# Altium PCB PCB.PcbDoc (part 2 of 2)
Units mm, origin at the board's own origin, x right, y up, seen from the top; angles counter-clockwise.
Board outline 126.4 x 80.11 mm, 6 copper layers (Top Layer, GND-1, Signal-1, Power Plane, GND-2, Bottom Layer), stack 1.38 mm thick; 110 components, 85 nets, 374 pads, 490 vias.
Unrouted connection lines stored in the file: 21.
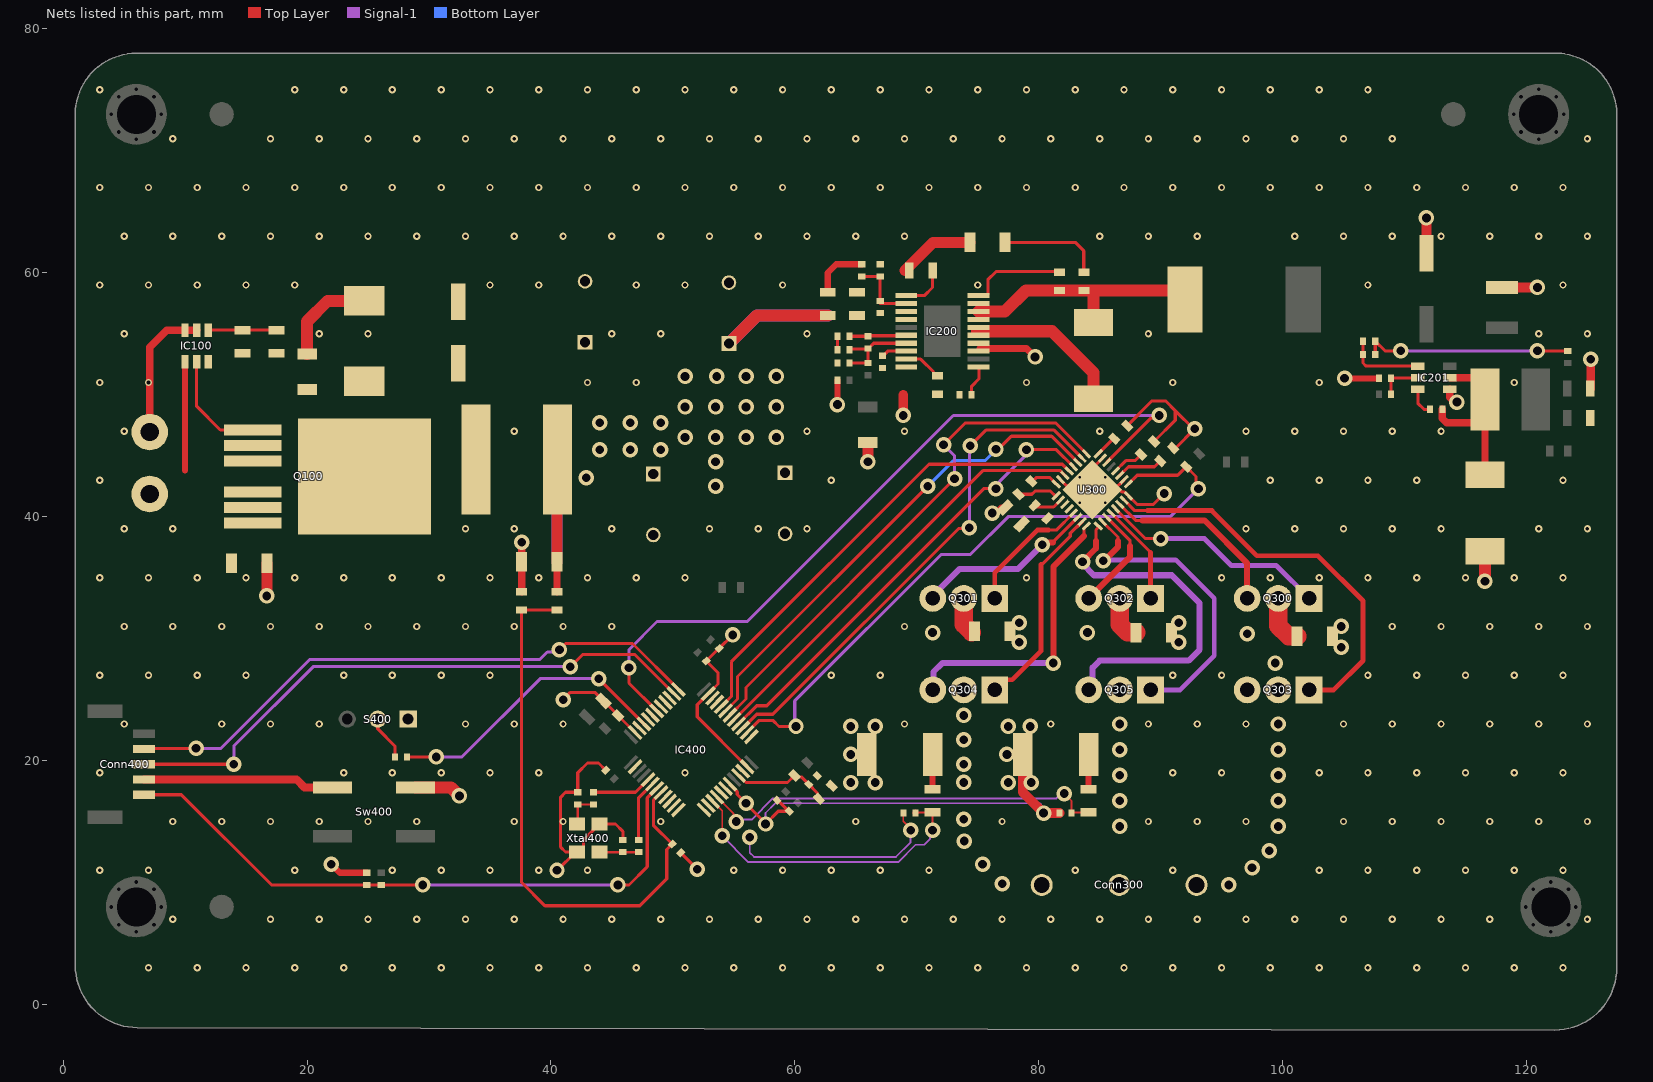
[diagram p6: the nets of this part, all layers, seen from the top]

## Via types
v1: diameter 0.6, hole 0.3, Top Layer to Bottom Layer, 337 vias
v2: diameter 1.27, hole 0.711, Top Layer to Bottom Layer, 113 vias
v3: diameter 0.6, hole 0.3, Top Layer to Bottom Layer, tented top, 21 vias
v4: diameter 1.27, hole 0.711, Top Layer to Bottom Layer, tented top, 19 vias

## Nets (pads, with @x,y where several pads share a name; then routed paths per layer and width w, separated by ;. In a path a pad name is that pad's centre, name@x,y a point inside that pad or via, vN(x,y) a via of type N, cw(c..) or ccw(c..) an arc to the next point about the centre after c; other vN are vias at no path point) (continued)
+28V_FILT: C104.1 C106.P C201.1 C202.1 C300.1 C301.1 C302.1 C303.P C304.P C306.1 C307.1 IC200.3-VIN IC200.4-VIN L100.1 Q300.D Q301.D Q302.D R200.1 R207.2 U300.3 U300.4 | length 48.5
  Top Layer w0.25: C306.1@80.624,39.764 C306.1@80.73,39.87
  Top Layer w0.5: L100.1@40.5,44.675 L100.1@40.525,44.7
  Top Layer w0.6: R207.2@40.5,33.85 C104.1@40.5,36.3
  Top Layer w0.9: C104.1@40.5,36.3 L100.1@40.5,44.675
  Top Layer w1: C106.P@54.6,54.2 56.9,56.5 C201.1@62.7,56.5
  Top Layer w1.5: Q301.D@73.86,33.3 73.86,31.16 C300.1@74.52,30.5 ; Q302.D@86.64,33.3 86.64,31.16 87.3,30.5 C302.1@88,30.5 ; Q300.D@99.64,33.3 99.64,31.06 100.5,30.2 C301.1@101.2,30.2
  Bottom Layer w0.9: 40.5,36.3 40.5,44.675
  Bottom Layer w1: C106.P@54.6,54.2 56.9,56.5 62.7,56.5
  other v2: 53.5,42.5 42.9,43.2 53.5,44.5 44,45.5 46.5,45.5 49,45.5 51,46.5 53.5,46.5 56,46.5 58.5,46.5 44,47.7 46.5,47.7 49,47.7 51,49 53.5,49 56,49 58.5,49 51,51.5 53.6,51.5 56,51.5 58.5,51.5
BOOT0: IC400.45 R401.2 | length 23.6
  Top Layer w0.254: R401.2@28.2,20.3 v2(30.6,20.3) ; v2(43.916,26.716) IC400.45@47.619,23.013
  Signal-1 w0.254: v2(30.6,20.3) 32.7,20.3 39.116,26.716 v2(43.916,26.716)
CurrentA: Q304.S R303.2 R304.1 U300.8 | length 26.8
  Top Layer w0.25: 83.702,38.402 83.702,39.009 83.696,39.014 83.696,39.022 U300.8@83.916,39.241
  Top Layer w0.5: R303.2@71.3,17.65 R304.1@71.3,20.5 ; v2(81.2,28) 81.2,35.9 83.702,38.402
  Signal-1 w0.5: Q304.S@71.366,25.846 71.366,27.266 72.1,28 v2(81.2,28)
CurrentB: Q305.S R305.2 R306.1 U300.9 | length 32.6
  Top Layer w0.25: 84.7,38 84.7,38.918 84.95,39.168 84.95,39.175 U300.9@84.884,39.241
  Top Layer w0.5: v4(83.6,36.3) 84.7,37.4 84.7,38 ; R305.2@84.1,17.65 R306.1@84.1,20.5
  Signal-1 w0.5: v4(83.6,36.3) 83.6,36.127 84.528,35.199 90.912,35.199 93.2,32.91 93.2,29.1 92.3,28.2 85,28.2 84.425,27.625 84.425,26.125 Q305.S@84.1,25.8
Driver_Enable: IC400.42 U300.22 | length 63.3
  Top Layer w0.254: v2(46.4,27.6) 46.4,26.354 IC400.42@48.68,24.073 ; U300.22@85.591,44.452 89.245,48.106 89.706,48.106 v2(89.9,48.3)
  Signal-1 w0.254: v2(46.4,27.6) 46.4,29.1 48.7,31.4 56.1,31.4 73,48.3 v2(89.9,48.3)
Driver_Fault: IC400.26 R302.1 U300.17 | length 54.6
  Top Layer w0.254: IC400.26@56.088,22.306 57.082,23.3 58.204,23.3 58.704,22.8 v2(60.1,22.8) ; U300.17@87.359,42.684 88.075,43.4 91.4,43.4 R302.1@92.1,44.1 92.906,43.294 92.906,42.494 v2(93.1,42.3)
  Signal-1 w0.254: v2(60.1,22.8) 60,22.9 60,24.9 72,36.9 74.4,36.9 77.5,40 90.8,40 v2(93.1,42.3)
GHA: Q301.G U300.5 | length 10.7
  Top Layer w0.25: 80.654,38.9 81.454,38.9 U300.5@82.855,40.301
  Top Layer w0.4: Q301.G@76.4,33.3 76.4,35.4 79.9,38.9 80.8,38.9
GHB: Q302.G U300.12 | length 8.3
  Top Layer w0.25: U300.12@85.945,40.301 89.18,37.066
  Top Layer w0.4: Q302.G@89.18,33.3 89.18,37.066
GHC: Q300.G U300.13 | length 18.9
  Top Layer w0.25: U300.13@86.299,40.655 88.754,38.2 v2(90,38.2)
  Signal-1 w0.4: v2(90,38.2) 93.6,38.2 95.8,36 99.48,36 Q300.G@102.18,33.3
GLA: Q304.G U300.7 | length 17.1
  Top Layer w0.3: 80.3,36.1 80.5,36.3 82.6,38.4 82.6,38.632 U300.7@83.562,39.594
  Top Layer w0.4: Q304.G@76.4,25.8 77.224,26.624 77.824,26.624 80.2,29 80.2,36.1
GLB: Q305.G U300.10 | length 25.8
  Top Layer w0.25: U300.10@85.238,39.594 86.5,38.332 86.5,38
  Top Layer w0.5: v2(85.3,36.4) 85.388,36.4 86.5,37.512 86.5,38
  Signal-1 w0.4: v2(85.3,36.4) 85.363,36.463 91.237,36.463 94.4,33.3 94.4,28.6 91.6,25.8 Q305.G@89.18,25.8
GLC: Q303.G U300.15 | length 33.3
  Top Layer w0.25: U300.15@87.006,41.362 87.868,40.5 88.9,40.5
  Top Layer w0.4: 88.9,40.5 94.2,40.5 97.9,36.8 102.9,36.8 106.6,33.1 106.6,28.2 104.2,25.8 Q303.G@102.18,25.8
GND: C100.2 C101.1 C102.2 C103.2 C104.2 C105.N C106.N C201.2 C202.2 C203.2 C205.2 C206.2 C207.2 C208.2 C210.2 C212.2 C214.2 C215.2 C216.2 C217.2 C300.2 C301.2 C302.2 C303.N C304.N C305.1 C307.2 C309.1 C310.2 C400.1 C401.2 C402.2 C403.2 C404.2 C405.2 C406.2 C407.2 C408.2 C409.2 C410.2 C411.2 Conn100.2 Conn400.4 D201.A IC100.2 IC100.3 IC200.10-AGND IC200.13-PGND IC200.14-PGND IC201.1 IC400.19 IC400.23 IC400.35 IC400.47 Q303.S R201.1 R202.2 R203.2 R206.1 R208.2 R212.2 R300.1 R301.1 R304.2 R306.2 S400.1 Sw400.A TVS100.A U300.16 U300.18 U300.23 U300.31 U300.33 U300.34 U300.35 U300.36 U300.37 U300.38 Xtal400.GND1 Xtal400.GND2 | length 212.3
  Top Layer w0.15: C309.1@68.9,15.7 68.9,15.019 v2@69.56,14.36
  Top Layer w0.254: v2(40.5,11) 40.525,11 Xtal400.GND1@42.025,12.5 ; v2(41,25) 41.6,25.6 43.6,25.6 C404.2@44.3,24.9 44.309,24.9 46.903,22.306 IC400.47@46.912,22.306 ; Xtal400.GND1@42.15,12.5 Xtal400.GND1@42.025,12.5 ; Xtal400.GND1@42.275,12.5 42.673,12.898 42.673,13.473 43.477,14.277 43.477,14.402 43.875,14.8 Xtal400.GND2@44,14.8 45.3,14.8 45.9,14.2 C406.2@45.9,13.5 ; C402.2@44.493,19.207 43.9,19.8 43,19.8 42.2,19 C405.2@42.2,17.4 41.2,17.4 40.8,17 40.8,12.9 41.2,12.5 Xtal400.GND1@42.025,12.5 ; C212.2@50.654,12.446 v2(52,11.1) ; IC400.19@54.673,18.08 54.673,18.048 55.282,17.439 55.282,17.218 v2(56,16.5) 56,16.45 57.6,14.85 v2(57.6,14.8) 58.646,15.846 59.302,15.846 59.337,15.882 C411.2@59.461,15.882 ; v4(54.9,30.3) C403.2@53.8,29.2 53.786,29.2 52.75,28.164 C401.2@52.736,28.164 53.7,27.2 53.7,26.282 IC400.35@52.906,25.488 52,24.582 52,23.582 IC400.23@56.088,19.494 ; C410.2@58.546,16.746 58.596,16.746 C411.2@59.461,15.882 ; U300.31@81.794,43.038 82.632,42.2 U300.33@84.4,42.2 84.4,43.968 U300.23@85.238,44.806 ; U300.18@87.006,43.038 86.168,42.2 86.66,42.2 86.762,42.098 ccw(c86.941,42.278) 86.942,42.024 cw(c86.942,41.77) 87.121,41.95 87.136,41.935 U300.16@87.359,41.716 88.075,41 89.4,41 v2(90.3,41.9) ; C305.1@87.261,47.461 89.3,49.5 90.4,49.5 91.2,48.7 ; R301.1@89.461,46.161 91.2,47.9 91.2,48.7 ; R300.1@91.03,45.63 91.23,45.63 v2(92.8,47.2) ; v2@92.75,47.15 91.2,48.7 ; C216.2@125.25,50.5 C216.2@125.258,50.508 ; v2@125.258,52.903 v2(125.267,52.912) ; C411.2@59.461,15.882 59.511,15.882 C411.2@59.546,15.846 59.496,15.846 C411.2@59.461,15.882
  Top Layer w0.5: v4(22,11.5) 22.7,10.8 C400.1@24.9,10.8 ; C201.2@62.7,58.4 62.7,60.001 63.399,60.7 C203.2@65.5,60.7 ; v2(63.5,49.2) C215.2@63.5,51.2 ; v2(76.2,40.3) 76.394,40.494 76.692,40.494 76.941,40.744 C307.2@77.256,40.744 ; v2@105.086,51.346 R212.2@107.896,51.346
  Top Layer w0.6: Conn100.2@7.1,46.94 7.1,53.9 8.5,55.3 IC100.3@10,55.3 IC100.2@10.95,55.3 ; R208.2@37.6,33.85 C104.2@37.6,36.3 v4(37.6,37.9) ; 75.219,53.8 79,53.8 v2(79.7,53.1) ; IC201.1@113.7,50.45 113.7,49.8 114.1,49.4 v2(114.3,49.4)
  Top Layer w0.65: Conn400.4@6.645,18.45 19.15,18.45 19.8,17.8 Sw400.A@22.1,17.8
  Top Layer w0.7: C216.2@125.258,50.508 v2@125.258,52.903
  Top Layer w0.8: v2(68.9,48.3) 68.9,50 ; R306.2@78.7,20.5 78.7,17.4 v4(80.4,15.7) C310.2@81.7,15.7 ; C206.2@111.8,61.608 v2(111.8,64.5) ; C205.2@118,58.8 v2(120.9,58.8)
  Top Layer w0.9: v2(16.7,33.5) C100.2@16.7,36.2 ; v2(66,44.5) C214.2@66,46.1 ; 69.05,60.2 71.35,62.5 R202.2@74.35,62.5
  Top Layer w1: C103.2@20,53.35 20,56 21.7,57.7 TVS100.A@24.7,57.7 ; Sw400.A@28.9,17.8 31.8,17.8 v2(32.5,17.1) ; v2(116.6,34.7) D201.A@116.6,37.173
  Signal-1 w0.15: v2(56.3,13.7) 56.3,12.456 56.656,12.1 68.3,12.1 69.5,13.3 v2(69.5,14.3) ; v2(57.6,14.8) 57.6,15.7 58.4,16.5 74.6,16.5 80.108,16.5 80.196,16.412 80.196,15.904 v4(80.4,15.7)
  other v1: 7,3 11,3 15,3 19,3 23,3 27,3 31,3 35,3 39,3 43,3 47,3 51,3 55,3 59,3 63,3 67,3 71,3 75,3 79,3 83,3 87,3 91,3 95,3 99,3 103,3 107,3 111,3 115,3 119,3 123,3 9,7 17,7 21,7 25,7 29,7 33,7 37,7 41,7 45,7 49,7 53,7 57,7 61,7 65,7 69,7 73,7 77,7 81,7 85,7 89,7 93,7 97,7 101,7 105,7 109,7 113,7 117,7 125,7 3,11 7,11 19,11 27,11 35,11 39,11 43,11 55,11 59,11 63,11 67,11 71,11 83,11 91,11 103,11 107,11 111,11 115,11 119,11 123,11 9,15 13,15 17,15 21,15 25,15 29,15 37,15 41,15 49,15 89,15 93,15 97,15 105,15 109,15 113,15 117,15 121,15 125,15 3,19 23,19 27,19 31,19 35,19 39,19 51,19 91,19 95,19 103,19 107,19 111,19 115,19 119,19 123,19 5,23 13,23 17,23 21,23 33,23 37,23 41,23 69,23 81,23 89,23 93,23 97,23 105,23 109,23 113,23 117,23 121,23 125,23 3,27 7,27 11,27 15,27 23,27 27,27 31,27 35,27 63,27 67,27 91,27 95,27 107,27 111,27 115,27 119,27 123,27 13,31 17,31 21,31 25,31 29,31 33,31 45,31 69,31 109,31 113,31 117,31 121,31 125,31 3,35 11,35 15,35 19,35 23,35 27,35 31,35 39,35 79,35 95,35 99,35 103,35 107,35 111,35 115,35 119,35 123,35 5,39 9,39 33,39 45,39 53,39 57,39 61,39 97,39 101,39 105,39 109,39 113,39 121,39 125,39 3,43 63,43 99,43 103,43 107,43 111,43 5,47 37,47 61,47 69,47 85,47 97,47 101,47 105,47 109,47 113,47 43,51 47,51 79,51 91,51 103,51 119,51 5,55 21,55 25,55 45,55 49,55 121,55 125,55 3,59 7,59 11,59 15,59 19,59 35,59 39,59 47,59 51,59 59,59 75,59 107,59 123,59 5,63 9,63 13,63 17,63 21,63 25,63 41,63 45,63 49,63 53,63 57,63 61,63 65,63 69,63 85,63 89,63 93,63 101,63 105,63 109,63 113,63 117,63 121,63 125,63 3,67 7,67 11,67 15,67 19,67 23,67 27,67 31,67 35,67 39,67 43,67 47,67 51,67 55,67 59,67 63,67 67,67 71,67 75,67 79,67 83,67 87,67 91,67 95,67 99,67 103,67 107,67 111,67 115,67 119,67 123,67 9,71 17,71 21,71 25,71 29,71 33,71 37,71 41,71 45,71 49,71 53,71 57,71 61,71 65,71 69,71 73,71 77,71 81,71 85,71 89,71 93,71 97,71 101,71 105,71 109,71 125,71 3,75 19,75 23,75 27,75 31,75 35,75 39,75 43,75 47,75 51,75 55,75 59,75 63,75 67,75 71,75 75,75 79,75 83,75 87,75 91,75 95,75 99,75 103,75 107,75
  other v2: 66.6,18.2 64.6,20.5 77.4,20.5 64.6,22.8 66.6,22.8 77.5,22.8 79.3,22.8 104.8,29.3 104.8,31 105.081,51.342
  other v3: 31,11 65,15 77,15 5,31 9,31 37,31 41,31 7,35 35,35 43,35 47,35 51,35 37,39 123,43 3,51 7,51 61,55 89,55 29,63 33,63 37,63
  other v4: 64.6,18.2 77.5,18.2 79.4,18.2 78.4,29.7 91.5,29.7 78.4,31.3 91.5,31.3
NetC102_1: C102.1 IC100.1 R100.2 | length 5.6
  Top Layer w0.254: IC100.1@11.9,55.3 C102.1@17.5,55.3
NetC200_1: C200.1 IC200.20-BST | length 8.2
  Top Layer w0.254: IC200.20-BST@75.07,58.125 75.75,58.125 75.833,58.208 75.833,59.433 76.5,60.1 C200.1@81.7,60.1
NetC200_2: C200.2 C204.1 D200.K IC200.17-SW IC200.18-SW IC200.19-PRE L200.1 | length 20.3
  Top Layer w1: IC200.18-SW@75.07,56.825 77.225,56.825 78.95,58.55 C200.2@81.7,58.55 C204.1@83.7,58.55 84.5,58.55 ; D200.K@84.5,55.927 84.5,58.55 ; L200.1@92,58.55 84.5,58.55
NetC203_1: C203.1 IC200.2-SD R200.2 R201.2 | length 5.6
  Top Layer w0.254: C203.1@65.5,59.7 R201.2@67,59.7 R200.2@67,57.7 ; R200.2@67,57.5 67.012,57.487 69.117,57.487 IC200.2-SD@69.13,57.475
NetC204_2: C204.2 R202.1 | length 8.5
  Top Layer w0.254: R202.1@77.25,62.5 83,62.5 83.7,61.8 C204.2@83.7,60.05
NetC207_1: C207.1 IC200.1-VCC | length 3.8
  Top Layer w0.254: IC200.1-VCC@69.13,58.125 70.625,58.125 71.3,58.8 C207.1@71.3,60.2
NetC208_1: C208.1 IC200.9-RAMP | length 3.2
  Top Layer w0.254: IC200.9-RAMP@69.13,52.925 70.325,52.925 71.377,51.873 71.377,51.723 71.55,51.55 C208.1@71.7,51.55
NetC209_1: C209.1 C211.2 IC200.6-COMP | length 4.7
  Top Layer w0.254: C209.1@64.5,54.8 C211.2@66,54.8 66.038,54.837 69.092,54.837 IC200.6-COMP@69.13,54.875
NetC209_2: C209.2 R205.2 | length 1.1
  Top Layer w0.254: R205.2@63.5,53.7 C209.2@63.5,54.8
NetC210_1: C210.1 IC200.11-SS | length 2.5
  Top Layer w0.254: C210.1@74.5,50 74.5,50.7 75.1,51.3 75.1,52.245 IC200.11-SS@75.07,52.275
NetC211_1: C211.1 IC200.7-FB R204.1 R205.1 R206.2 | length 7.5
  Top Layer w0.254: R206.2@64.5,52.6 R204.1@66,52.6 C211.1@66,53.8 65.95,53.75 64.55,53.75 R205.1@64.5,53.7 ; C211.1@66.05,53.8 66.475,54.225 IC200.7-FB@69.13,54.225
NetC213_1: C213.1 IC201.6 | length 2.4
  Top Layer w0.254: IC201.6@111.1,50.45 111.1,49.3 111.6,48.8 C213.1@112.1,48.8
NetC213_2: C213.2 D201.K IC201.2 L202.1 | length 15
  Top Layer w0.6: C213.2@113.1,48.8 113.1,48.051 113.451,47.7 115.725,47.7 L202.1@116.6,48.575 ; IC201.2@113.7,51.4 115.552,51.4 116.6,50.352 L202.1@116.6,48.575 ; D201.K@116.6,43.427 L202.1@116.6,48.575
NetC218_1: C218.1 R210.2 R211.1 | length 17.2
  Top Layer w0.254: R211.1@107.6,53.3 C218.1@107.6,54.4 108.4,53.6 v2(109.7,53.6) ; v2(120.9,53.6) R210.2@123.4,53.6
  Signal-1 w0.254: v2(109.7,53.6) v2(120.9,53.6)
NetC218_2: C218.2 IC201.4 R211.2 | length 6.4
  Top Layer w0.254: C218.2@106.6,54.4 R211.2@106.6,53.3 106.6,52.6 106.85,52.35 IC201.4@111.1,52.35
NetC305_2: C305.2 U300.24 | length 1.8
  Top Layer w0.254: U300.24@84.884,45.159 86.125,46.4 C305.2@86.2,46.4
NetC306_2: C306.2 U300.2 | length 2.4
  Top Layer w0.254: C306.2@79.67,40.8 81.232,40.8 U300.2@81.794,41.362
NetC308_1: C308.1 U300.1 | length 3.4
  Top Layer w0.254: C308.1@78.339,41.839 79.439,41.839 79.694,42.094 80.971,42.094 81.393,41.672 81.397,41.672 U300.1@81.441,41.716
NetC308_2: C308.2 U300.32 | length 2.4
  Top Layer w0.254: C308.2@79.4,42.9 79.5,42.9 79.8,43.2 80.925,43.2 U300.32@81.441,42.684
NetC405_1: C405.1 R402.2 Xtal400.2 | length 2.9
  Top Layer w0.2: Xtal400.2@42.15,14.8 42.2,14.85 C405.1@42.2,16.4 R402.2@43.5,16.4
NetC406_1: C406.1 R403.2 Xtal400.1 | length 3.2
  Top Layer w0.2: Xtal400.1@44,12.5 R403.2@47.2,12.5
NetC407_1: C407.1 C409.1 IC400.21 L400.2 | length 8.1
  Top Layer w0.254: IC400.21@55.381,18.787 55.413,18.787 56,18.2 59.4,18.2 L400.2@59.97,18.77 60.076,18.664 60.529,18.664 C409.1@61.146,18.046 61.864,17.329 61.864,16.976 C407.1@61.97,16.87
NetD200_A: D200.A IC200.15-IS IC200.16-IS | length 13.1
  Top Layer w1: 74.939,55.2 81.1,55.2 84.5,51.8 D200.A@84.5,49.673
NetQ100_G: IC100.5 Q100.G | length 9.1
  Top Layer w0.254: IC100.5@10.95,52.7 10.95,49.05 12.89,47.11 Q100.G@15.55,47.11
NetR203_1: IC200.8-RT R203.1 | length 2.1
  Top Layer w0.254: R203.1@67.2,53.2 67.25,53.2 67.625,53.575 IC200.8-RT@69.13,53.575
NetR209_2: IC201.5 R209.2 R212.1 | length 3.5
  Top Layer w0.254: R209.2@108.9,50.05 R212.1@108.9,51.35 108.925,51.375 111.075,51.375 IC201.5@111.1,51.4
NetR300_2: R300.2 U300.19 | length 3.7
  Top Layer w0.254: U300.19@86.652,43.391 87.361,44.1 89.5,44.1 R300.2@89.92,44.52
NetR301_2: R301.2 U300.20 | length 2.7
  Top Layer w0.254: U300.20@86.299,43.745 87.154,44.6 87.9,44.6 R301.2@88.4,45.1
NetR401_1: R401.1 S400.2 | length 3.7
  Top Layer w0.254: S400.2@25.8,23.4 25.8,22.6 27.2,21.2 R401.1@27.2,20.3
NetR402_1: IC400.5 R402.1 | length 4.9
  Top Layer w0.254: R402.1@43.5,17.4 46.939,17.4 IC400.5@47.973,18.434
NetR403_1: IC400.6 R403.1 | length 5
  Top Layer w0.254: R403.1@47.2,13.5 47.2,16.954 IC400.6@48.327,18.08
NRST: C400.2 Conn400.5 IC400.7 R400.2 | length 51.7
  Top Layer w0.254: Conn400.5@6.645,17.2 9.7,17.2 17.1,9.8 C400.2@24.9,9.8 R400.2@26.1,9.8 v4(29.5,9.8) ; v2(45.5,9.8) 46.4,9.8 47.9,11.3 47.9,16.946 IC400.7@48.68,17.727
  Signal-1 w0.254: v4(29.5,9.8) v2(45.5,9.8)
OUT_A: Conn300.1 Q301.S Q304.D U300.6 | length 14.8
  Top Layer w0.25: 81.156,37.895 U300.6@83.209,39.948
  Top Layer w0.5: v2(80.3,37.7) 80.495,37.895 81.156,37.895
  Signal-1 w0.5: Q301.S@71.32,33.3 71.32,33.518 73.502,35.7 78.3,35.7 v2(80.3,37.7)
  other v2: 77,9.9 75.4,11.5 73.9,13.4 73.86,15.19 73.86,18.21 73.86,19.7 73.86,21.7 73.86,23.7 71.3,30.5
OUT_B: Conn300.2 Q302.S Q305.D U300.11 | length 8.8
  Top Layer w0.25: U300.11@85.591,39.948 87.5,38.039 87.5,37.6
  Top Layer w0.5: Q302.S@84.1,33.3 87.5,36.7 87.5,37.6
  other v2: 86.64,14.6 86.64,16.7 86.64,18.8 86.64,20.9 86.64,23 84,30.5
OUT_C: Conn300.3 Q300.S Q303.D U300.14 | length 15.3
  Top Layer w0.25: U300.14@86.652,41.009 87.961,39.7 88.5,39.7
  Top Layer w0.5: 88.5,39.7 93.6,39.7 97.1,36.2 Q300.S@97.1,33.3
  other v2: 95.6,9.8 97.5,11.2 98.9,12.6 99.64,14.6 99.64,16.7 99.64,18.8 99.64,20.9 99.64,23 99.4,28 97.1,30.4
PA1: IC400.9
PA2: IC400.10
PA3: IC400.11
PA4: IC400.12
PA5: IC400.13
PA6: IC400.14
PA7: C309.2 IC400.15 R303.1 | length 25.6
  Top Layer w0.15: IC400.15@53.259,16.666 54.051,15.874 v2(54.051,13.825) ; C309.2@69.9,15.75 R303.1@71.3,15.75 v2(71.3,14.3)
  Top Layer w0.5: C309.2@69.9,15.7 C309.2@69.9,15.75
  Signal-1 w0.15: v2(54.051,13.825) 56.2,11.676 68.476,11.676 69.9,13.1 70.6,13.1 71.092,13.592 71.092,14.092 v2(71.3,14.3)
PA8: IC400.30 U300.25 | length 43.7
  Top Layer w0.254: IC400.30@54.673,23.72 56,25.046 56,26 v2(73.1,43.1) ; v2(72.2,45.9) 74,47.7 81.375,47.7 U300.25@83.916,45.159
  Signal-1 w0.254: v2(72.2,45.9) 73.1,45 v2(73.1,43.1)
PA9: IC400.31 U300.27 | length 40.2
  Top Layer w0.254: IC400.31@54.32,24.073 55.3,25.054 55.3,26.9 v2(70.9,42.5) ; v2(76.5,45.538) 76.695,45.538 77.757,46.6 81.061,46.6 U300.27@83.209,44.452
  Bottom Layer w0.254: v2(70.9,42.5) 73,44.6 75.6,44.6 76.5,45.5 v2(76.5,45.538)
PA10: IC400.32 U300.29 | length 38.7
  Top Layer w0.254: IC400.32@53.966,24.427 54.8,25.261 54.8,28.1 71,44.3 81.946,44.3 U300.29@82.501,43.745
PA11: IC400.33
PA12: IC400.34
PA13: Conn400.2 IC400.37 | length 48.9
  Top Layer w0.254: Conn400.2@6.645,20.95 6.67,20.975 10.875,20.975 v4(10.9,21) ; v2(40.7,29.1) 41.2,29.6 46.689,29.6 IC400.37@50.448,25.841
  Signal-1 w0.254: v4(10.9,21) 12.951,21 20.251,28.3 39.1,28.3 39.706,28.906 40.506,28.906 v2(40.7,29.1)
PA14: Conn400.3 IC400.38 | length 49.4
  Top Layer w0.254: Conn400.3@6.645,19.7 v2(14,19.7) ; v2(41.6,27.7) 42.6,28.7 46.882,28.7 IC400.38@50.094,25.488
  Signal-1 w0.254: v2(14,19.7) 14,21.2 20.5,27.7 v2(41.6,27.7)
PA15: IC400.39
PB0: C310.1 IC400.16 R305.1 | length 33.8
  Top Layer w0.15: IC400.16@53.613,17.019 54.986,15.647 54.986,15.214 v2(55.2,15) ; v4(82.1,17.3) 82.1,17.284 82.7,16.684 C310.1@82.7,15.7 ; C310.1@82.7,15.75 R305.1@84.1,15.75
  Signal-1 w0.15: v2(55.2,15) 55.358,15.158 56.458,15.158 58.2,16.9 58.5,16.9 74.434,16.9 81.452,16.9 81.852,17.3 v4(82.1,17.3)
PB1: IC400.17
PB2: IC400.18
PB3: IC400.40
PB4: IC400.41
PB6: IC400.43
PB7: IC400.44
PB9: IC400.46
PB10: IC400.22
PB11: IC400.25
PB13: IC400.27 U300.26 | length 42.8
  Top Layer w0.254: IC400.27@55.734,22.659 56.875,23.8 58.2,23.8 73.436,39.036 74.236,39.036 v2(74.3,39.1) ; v2(74.379,45.813) 75.666,47.1 81.268,47.1 U300.26@83.562,44.806
  Signal-1 w0.254: v2(74.3,39.1) 74.339,39.139 74.339,45.774 v2@74.364,45.799
PB14: IC400.28 U300.28 | length 37.8
  Top Layer w0.254: IC400.28@55.381,23.013 56.868,24.5 57.7,24.5 75.5,42.3 v2(76.5,42.3) ; v2(79,45.5) 81.454,45.5 U300.28@82.855,44.099
  Signal-1 w0.254: v2(76.5,42.3) 76.5,42.575 76.814,42.889 76.814,42.914 78.806,44.906 78.806,45.306 v2(79,45.5)
PB15: IC400.29 U300.30 | length 35.8
  Top Layer w0.254: IC400.29@55.027,23.366 75.461,43.8 81.736,43.8 82.145,43.391 U300.30@82.148,43.391
PC13: IC400.2
V_SYS_+28V: C101.2 C103.1 C105.P IC100.6 L100.2 Q100.D R100.1 TVS100.K
VBUS: C212.1 IC400.8 R207.1 R208.1 | length 47
  Top Layer w0.254: R207.1@40.5,32.35 R208.1@37.6,32.35 37.6,10 39.5,8.1 47.3,8.1 49.5,10.3 49.5,12.707 C212.1@49.946,13.154 48.4,14.7 48.4,16.739 IC400.8@49.034,17.373
VIN_+28V: C100.1 Conn100.1 IC100.4 Q100.S | length 8.9
  Top Layer w0.5: 10,43.8 IC100.4@10,52.7
pads on no net: Conn400.6 Conn400.7 Fid500.TP Fid501.TP Fid502.TP IC200.5-SYNC IC200.EP-GND IC400.3 IC400.4 MHBL500.Hole MHBR500.Hole MHTL500.Hole MHTR500.Hole U300.21

## Polygon pours and split planes (outlines as drawn)
GND on Top Layer "NONET_L-01_P-001" (solid, pour order 0): 0.4,78.8 0.4,-2.6 128.6,-2.6 128.6,78.5 0.9,78.5 0.5,78.9
GND on Bottom Layer "NONET_L-01_P-001" (solid, pour order 1): 0,-3.2 128.1,-3.2 128.1,78.7 0,78.7
GND on GND-2 (split plane): 6,77.49 122.4,77.49 122.471,77.49 122.694,77.482 122.986,77.453 123.276,77.406 123.563,77.339 123.844,77.253 124.119,77.15 124.387,77.029 124.646,76.89 124.896,76.735 125.134,76.564 125.362,76.377 125.576,76.176 125.777,75.962 125.964,75.734 126.135,75.496 126.29,75.246 126.429,74.987 126.55,74.719 126.653,74.444 126.739,74.163 126.806,73.876 126.853,73.586 126.882,73.294 126.891,73.018 126.89,73 126.89,2.969 126.891,2.951 126.882,2.671 126.853,2.375 126.804,2.08 126.737,1.79 126.65,1.504 126.545,1.225 126.422,0.954 126.281,0.691 126.124,0.437 125.95,0.195 125.761,-0.036 125.557,-0.253 125.339,-0.457 125.109,-0.646 124.866,-0.82 124.613,-0.978 124.35,-1.118 124.078,-1.241 123.799,-1.346 123.514,-1.433 123.223,-1.501 122.929,-1.549 122.632,-1.578 122.357,-1.587 122.343,-1.586 122.334,-1.587 122.334,-1.586 122.289,-1.59 122.243,-1.594 122.239,-1.595 122.235,-1.596 122.229,-1.597 6.084,-1.385 6.083,-1.385 6.083,-1.386 6.066,-1.387 5.784,-1.378 5.486,-1.349 5.191,-1.3 4.899,-1.232 4.613,-1.145 4.333,-1.04 4.06,-0.916 3.796,-0.775 3.542,-0.617 3.298,-0.442 3.067,-0.253 2.849,-0.048 2.644,0.171 2.454,0.402 2.28,0.645 2.122,0.9 1.98,1.164 1.857,1.436 1.751,1.716 1.664,2.003 1.597,2.295 1.548,2.59 1.518,2.888 1.509,3.169 1.511,3.187 1.51,73 1.509,73.018 1.518,73.294 1.546,73.586 1.594,73.876 1.661,74.163 1.746,74.444 1.85,74.719 1.971,74.987 2.11,75.246 2.265,75.496 2.436,75.734 2.623,75.962 2.824,76.176 3.038,76.377 3.265,76.564 3.504,76.735 3.754,76.89 4.013,77.029 4.281,77.15 4.556,77.253 4.837,77.339 5.124,77.406 5.414,77.453 5.706,77.482 5.982,77.491
+3V3_MCU_IN on Power Plane (split plane): 54.298,34.9 54.298,34.897 54.298,34.893 54.398,27.594 54.398,27.593 54.403,27.545 54.408,27.496 54.409,27.496 54.409,27.495 54.423,27.449 54.438,27.402 54.439,27.401 54.462,27.359 54.486,27.316 54.486,27.315 54.518,27.278 54.549,27.24 54.55,27.24 54.588,27.209 54.626,27.179 54.627,27.178 54.67,27.156 54.713,27.133 54.714,27.133 54.761,27.12 54.808,27.106 54.809,27.106 54.858,27.102 54.906,27.098 54.907,27.098 62.498,27.191 62.498,-1.488 6.084,-1.385 6.083,-1.385 6.083,-1.386 6.066,-1.387 5.784,-1.378 5.486,-1.349 5.191,-1.3 4.899,-1.232 4.613,-1.145 4.333,-1.04 4.06,-0.916 3.796,-0.775 3.542,-0.617 3.298,-0.442 3.067,-0.253 2.849,-0.048 2.644,0.171 2.454,0.402 2.28,0.645 2.122,0.9 1.98,1.164 1.857,1.436 1.751,1.716 1.664,2.003 1.597,2.295 1.548,2.59 1.518,2.888 1.509,3.169 1.511,3.187 1.511,28.498 45.8,28.498 45.898,28.507 45.992,28.536 46.079,28.582 46.155,28.645 46.218,28.721 46.264,28.808 46.293,28.902 46.302,29 46.302,35.498 54.298,35.498
+28V_FILT on Power Plane (split plane): 225 vertices, not listed, extent 36.502,24.502 126.891,77.49
VIN_+28V on Power Plane (split plane): 10.498,50.5 10.507,50.402 10.536,50.308 10.582,50.221 10.645,50.145 10.721,50.082 10.808,50.036 10.902,50.007 11,49.998 17.998,49.998 17.998,29.502 1.511,29.502 1.511,53.498 10.498,53.498
V_SYS_+28V on Power Plane (split plane): 6,77.49 43.998,77.49 43.998,53.502 42.5,53.502 42.468,53.499 42.435,53.498 42.419,53.494 42.402,53.493 42.371,53.483 42.339,53.476 42.324,53.469 42.308,53.464 42.279,53.449 42.249,53.435 42.236,53.426 42.221,53.418 42.196,53.397 42.169,53.378 38.169,49.878 38.158,49.866 38.145,49.855 38.124,49.83 38.102,49.806 38.093,49.792 38.082,49.779 38.067,49.75 38.05,49.723 38.044,49.707 38.036,49.692 38.026,49.661 38.015,49.631 38.012,49.614 38.007,49.598 38.004,49.566 37.999,49.533 37.999,49.517 37.998,49.5 37.998,48.502 36,48.502 35.902,48.493 35.808,48.464 35.721,48.418 35.645,48.355 35.582,48.279 35.536,48.192 35.507,48.098 35.498,48 35.498,29.502 19.002,29.502 19.002,50.5 18.993,50.598 18.964,50.692 18.918,50.779 18.855,50.855 18.779,50.918 18.692,50.964 18.598,50.993 18.5,51.002 11.502,51.002 11.502,54 11.493,54.098 11.464,54.192 11.418,54.279 11.355,54.355 11.279,54.418 11.192,54.464 11.098,54.493 11,54.502 1.511,54.502 1.51,73 1.509,73.018 1.518,73.294 1.546,73.586 1.594,73.876 1.661,74.163 1.746,74.444 1.85,74.719 1.971,74.987 2.11,75.246 2.265,75.496 2.436,75.734 2.623,75.962 2.824,76.176 3.038,76.377 3.265,76.564 3.504,76.735 3.754,76.89 4.013,77.029 4.281,77.15 4.556,77.253 4.837,77.339 5.124,77.406 5.414,77.453 5.706,77.482 5.982,77.491
+3V3_INV_IN on Power Plane (split plane): 95.685,43.101 95.09,43.098 92.783,45.202 92.796,45.978 95.611,45.994
+3V3 on Power Plane (split plane): 151 vertices, not listed, extent 55.302,-1.597 126.891,45.998
+12V on Power Plane (split plane): 126.89,55.202 118.9,55.202 118.802,55.193 118.708,55.164 118.621,55.118 118.545,55.055 118.482,54.979 118.436,54.892 118.407,54.798 118.398,54.7 118.398,47.002 96.101,47.002 96.099,47.002 96.098,47.002 62.509,46.805 62.596,53.998 97.1,53.998 97.198,54.007 97.292,54.036 97.379,54.082 97.455,54.145 97.518,54.221 97.564,54.308 97.593,54.402 97.602,54.5 97.602,60.498 126.89,60.498
+3V3_DIST_OUT on Power Plane (split plane): 126.89,45.202 123.202,45.202 123.202,46.7 123.193,46.798 123.164,46.892 123.118,46.979 123.055,47.055 122.979,47.118 122.892,47.164 122.798,47.193 122.7,47.202 122.602,47.193 122.508,47.164 122.421,47.118 122.345,47.055 122.301,47.003 119.402,47.002 119.402,54.198 126.89,54.198
GND on GND-1 (split plane): 6,77.49 122.4,77.49 122.471,77.49 122.694,77.482 122.986,77.453 123.276,77.406 123.563,77.339 123.844,77.253 124.119,77.15 124.387,77.029 124.646,76.89 124.896,76.735 125.134,76.564 125.362,76.377 125.576,76.176 125.777,75.962 125.964,75.734 126.135,75.496 126.29,75.246 126.429,74.987 126.55,74.719 126.653,74.444 126.739,74.163 126.806,73.876 126.853,73.586 126.882,73.294 126.891,73.018 126.89,73 126.89,2.969 126.891,2.951 126.882,2.671 126.853,2.375 126.804,2.08 126.737,1.79 126.65,1.504 126.545,1.225 126.422,0.954 126.281,0.691 126.124,0.437 125.95,0.195 125.761,-0.036 125.557,-0.253 125.339,-0.457 125.109,-0.646 124.866,-0.82 124.613,-0.978 124.35,-1.118 124.078,-1.241 123.799,-1.346 123.514,-1.433 123.223,-1.501 122.929,-1.549 122.632,-1.578 122.357,-1.587 122.343,-1.586 122.334,-1.587 122.334,-1.586 122.289,-1.59 122.243,-1.594 122.239,-1.595 122.235,-1.596 122.229,-1.597 6.084,-1.385 6.083,-1.385 6.083,-1.386 6.066,-1.387 5.784,-1.378 5.486,-1.349 5.191,-1.3 4.899,-1.232 4.613,-1.145 4.333,-1.04 4.06,-0.916 3.796,-0.775 3.542,-0.617 3.298,-0.442 3.067,-0.253 2.849,-0.048 2.644,0.171 2.454,0.402 2.28,0.645 2.122,0.9 1.98,1.164 1.857,1.436 1.751,1.716 1.664,2.003 1.597,2.295 1.548,2.59 1.518,2.888 1.509,3.169 1.511,3.187 1.51,73 1.509,73.018 1.518,73.294 1.546,73.586 1.594,73.876 1.661,74.163 1.746,74.444 1.85,74.719 1.971,74.987 2.11,75.246 2.265,75.496 2.436,75.734 2.623,75.962 2.824,76.176 3.038,76.377 3.265,76.564 3.504,76.735 3.754,76.89 4.013,77.029 4.281,77.15 4.556,77.253 4.837,77.339 5.124,77.406 5.414,77.453 5.706,77.482 5.982,77.491

## Other copper
Top Layer:
  region net CurrentB: 82.98,26.9 82.98,18.5 85.28,18.5 85.28,26.9
  region net CurrentA: 70.3,26.9 70.3,18.5 72.4,18.5 72.4,26.9
  region net NetC200_2: 74.2,57.7 74.2,56 76,56 76,57.7
  region net +28V_FILT: 70.019,57.04 70.019,55.969 68.25,55.969 68.242,55.977 68.25,55.985 68.25,57.032
  region net NetD200_A: 74.18,55.735 74.18,54.665 75.96,54.665 75.96,55.735
  region net +12V: 113.15,52.052 113.152,52.05 114.25,52.05 114.25,55.692 114.242,55.7 113.17,55.7 113.149,55.721
  region net +28V_FILT: 82.355,41.396 82.887,40.863 82.887,40.858 82.298,40.27 81.773,40.795 81.759,40.795
  region net VIN_+28V: 17.9,46.284 17.9,39.04 13.2,39.04 11.94,40.3 5.6,40.3 5.5,40.4 5.5,43.5 8.6,43.5 11.315,46.215 13.2,46.215
  region net VIN_+28V: 14.25,35.419 14.231,35.4 13.366,35.4 13.366,39.928 13.378,39.94 14.24,39.94
  region net +12V: 107.613,50.302 107.618,50.297 108.193,50.297 108.193,47.9 107.607,47.9 107.607,50.297
  region net +3V3_INV_IN: 92.8,46 92.797,45.997 92.797,45.003 94.7,43.1 95.7,43.1 95.7,46
  region net +3V3_MCU_IN: 20.5,14.284 20.5,13.3 30.496,13.3 30.496,14.3
  region net +3V3_DIST_OUT: 123.7,44.95 123.7,52.847 122.614,52.847 121.906,52.139 119.575,52.139 119.575,47.081 119.606,47.05 121.925,47.05 121.925,47.033 123.108,45.85 123.1,45.842 123.1,44.95
  region net +12V: 65.2,48.55 66.797,48.55 66.797,50.867 66.299,51.365 66.299,51.841 65.703,51.841 65.363,51.5 64.25,51.5 64.252,51.498 64.252,50.9 64.75,50.9 65.2,50.45 65.2,50.3
  region net OUT_A: 70.2,34.7 70.2,29.7 72.8,27.1 72.8,12.7 76.7,8.8 81.2,8.8 81.2,10.752 77.748,10.752 75,13.5 75,28 72.374,30.626 72.374,34.7
  region net OUT_B: 83,34.5 83,29.7 85.6,27.1 85.6,8.8 87.7,8.8 87.7,28.1 85.2,30.6 85.2,34.5
  region net OUT_C: 96,34.4 96,29.8 98.532,27.268 98.532,13.632 95.7,10.8 92,10.8 92,8.8 96.5,8.8 100.7,13 100.7,28.3 98.2,30.8 98.2,34.4
  region net +28V_FILT: 81.773,40.795 81.363,40.386 80.822,40.386 80.436,40 78.6,40 73.138,34.538 73.138,32.476 73.158,32.496 74.611,32.496 74.611,34.096 74.5,34.206 74.5,34.5 74.601,34.5 79.485,39.384 79.625,39.391 80.676,39.391 81.155,39.87 81.898,39.87 82.298,40.27
  region net GND: 20.5,18.284 20.5,17.3 30.496,17.3 30.496,18.3
  region net GND: 61.465,18.789 61.889,18.365 62.172,18.365 63.136,17.401 63.136,17.398 63.798,17.398 63.9,17.5 63.9,19.1 61.861,19.1 61.821,19.14
  region net GND: 20.8,53.8 20.8,52.9 16.799,52.9 16.805,52.905 16.805,53.789
  region net GND: 23.05,58.9 23.05,56.5 26.35,56.5 26.734,56.116 32.984,56.116 34.918,58.05 65.75,58.05 65.75,58.75 62.05,58.75 60.8,60 34.176,60 33.076,58.9
  region net GND: 62,58.8 62,58 65.8,58 65.8,58.8
  region net GND: 63.9,23.5 63.9,17.5 67.3,17.5 67.3,23.5
  region net GND: 76.7,23.5 76.7,17.5 80.1,17.5 80.1,23.5
  region net GND: 77.2,29.1 79,29.1 79,31.9 77.2,31.9
  region net GND: 90.45,29 92.25,29 92.25,32 90.45,32
  region net GND: 103.65,28.7 105.45,28.7 105.45,31.7 103.65,31.7
  region net GND: 73.75,50.35 69.36,50.35 69.35,50.36 69.35,49.739 73.75,49.739
  region net GND: 63.25,52.9 63.25,50.9 63.75,50.9 63.75,52.9
  region net GND: 66.9,52.45 66.935,52.485 70.02,52.485 70.02,51.47 69.35,50.8 69.35,49.2 68.45,49.2 68.45,50.8 68.05,50.8 66.9,51.95
  region net GND: 65.2,60.95 65.2,60.45 68.15,60.45 69.05,59.55 69.75,59.55 69.75,60.85 69.65,60.95
  region net GND: 74.18,54.435 74.18,53.365 75.96,53.365 75.96,54.435
  region net GND: 125.6,51.145 125.595,51.14 125.595,47.45 124.911,47.45 124.9,47.461 124.9,51.15
  region net V_SYS_+28V: 19.2,50.857 19.25,50.807 19.25,38.55 30.15,38.55 31.8,40.2 35.065,40.2 35.065,49.199 37.199,49.199 41.5,53.5 44,53.5 44,55.5 34.4,55.5 33.035,54.135 28.132,54.135 26.297,52.3 23.045,52.3 21.59,50.845
  region net V_SYS_+28V: 11.6,53.25 13.596,53.25 14.05,53.704 15.35,53.704 15.35,53.05 17.543,50.857 20.727,50.857 20.77,50.9 20.8,50.87 20.8,50 19.2,50 12.3,50 12.3,50.2 12.2,50.3 11.6,50.3
  region net +28V_FILT: 62,56 70.019,56 70.019,57 62,57
  region net +28V_FILT: 39.3,49.2 39.3,40.2 60.3,40.2 60.3,55 50,55 50,51.4 47.8,49.2
Bottom Layer:
  region net V_SYS_+28V: 19.2,50.857 19.25,50.807 19.25,38.55 30.15,38.55 31.8,40.2 35.065,40.2 35.065,49.199 37.199,49.199 41.5,53.5 44,53.5 44,55.5 34.4,55.5 33.035,54.135 28.132,54.135 26.297,52.3 23.045,52.3 21.59,50.845
  region net GND: 20.8,53.8 20.8,52.9 16.799,52.9 16.805,52.905 16.805,53.789
  region net V_SYS_+28V: 11.6,53.25 13.596,53.25 14.05,53.704 15.35,53.704 15.35,53.05 17.543,50.857 20.727,50.857 20.77,50.9 20.8,50.87 20.8,50 19.2,50 12.3,50 12.3,50.2 12.2,50.3 11.6,50.3
  region net VIN_+28V: 17.9,46.284 17.9,39.04 13.2,39.04 11.94,40.3 5.6,40.3 5.5,40.4 5.5,43.5 8.6,43.5 11.315,46.215 13.2,46.215
  region net GND: 61.465,18.789 61.889,18.365 62.172,18.365 63.136,17.401 63.136,17.398 63.798,17.398 63.9,17.5 63.9,19.1 61.861,19.1 61.821,19.14
  region net +28V_FILT: 62,56 70.019,56 70.019,57 62,57
  region net GND: 62,58.8 62,58 65.8,58 65.8,58.8
  region net GND: 65.2,60.95 65.2,60.45 68.15,60.45 69.05,59.55 69.75,59.55 69.75,60.85 69.65,60.95
  region net NetC200_2: 74.2,57.7 74.2,56 76,56 76,57.7
  region net NetD200_A: 74.18,55.735 74.18,54.665 75.96,54.665 75.96,55.735
  region net +28V_FILT: 70.019,57.04 70.019,55.969 68.25,55.969 68.242,55.977 68.25,55.985 68.25,57.032
  region net GND: 74.18,54.435 74.18,53.365 75.96,53.365 75.96,54.435
  region net GND: 73.75,50.35 69.36,50.35 69.35,50.36 69.35,49.739 73.75,49.739
  region net GND: 66.9,52.45 66.935,52.485 70.02,52.485 70.02,51.47 69.35,50.8 69.35,49.2 68.45,49.2 68.45,50.8 68.05,50.8 66.9,51.95
  region net +12V: 65.2,48.55 66.797,48.55 66.797,50.867 66.299,51.365 66.299,51.841 65.703,51.841 65.363,51.5 64.25,51.5 64.252,51.498 64.252,50.9 64.75,50.9 65.2,50.45 65.2,50.3
  region net GND: 63.25,52.9 63.25,50.9 63.75,50.9 63.75,52.9
  region net +3V3_INV_IN: 92.8,46 92.797,45.997 92.797,45.003 94.7,43.1 95.7,43.1 95.7,46
  region net GND: 103.65,28.7 105.45,28.7 105.45,31.7 103.65,31.7
  region net GND: 90.45,29 92.25,29 92.25,32 90.45,32
  region net OUT_C: 96,34.4 96,29.8 98.532,27.268 98.532,13.632 95.7,10.8 92,10.8 92,8.8 96.5,8.8 100.7,13 100.7,28.3 98.2,30.8 98.2,34.4
  region net +28V_FILT: 82.355,41.396 82.887,40.863 82.887,40.858 82.298,40.27 81.773,40.795 81.759,40.795
  region net OUT_B: 83,34.5 83,29.7 85.6,27.1 85.6,8.8 87.7,8.8 87.7,28.1 85.2,30.6 85.2,34.5
  region net CurrentB: 82.98,26.9 82.98,18.5 85.28,18.5 85.28,26.9
  region net GND: 77.2,29.1 79,29.1 79,31.9 77.2,31.9
  region net +28V_FILT: 81.773,40.795 81.363,40.386 80.822,40.386 80.436,40 78.6,40 73.138,34.538 73.138,32.476 73.158,32.496 74.611,32.496 74.611,34.096 74.5,34.206 74.5,34.5 74.601,34.5 79.485,39.384 79.625,39.391 80.676,39.391 81.155,39.87 81.898,39.87 82.298,40.27
  region net GND: 76.7,23.5 76.7,17.5 80.1,17.5 80.1,23.5
  region net OUT_A: 70.2,34.7 70.2,29.7 72.8,27.1 72.8,12.7 76.7,8.8 81.2,8.8 81.2,10.752 77.748,10.752 75,13.5 75,28 72.374,30.626 72.374,34.7
  region net CurrentA: 70.3,26.9 70.3,18.5 72.4,18.5 72.4,26.9
  region net GND: 63.9,23.5 63.9,17.5 67.3,17.5 67.3,23.5
  region net +12V: 113.15,52.052 113.152,52.05 114.25,52.05 114.25,55.692 114.242,55.7 113.17,55.7 113.149,55.721
  region net GND: 125.6,51.145 125.595,51.14 125.595,47.45 124.911,47.45 124.9,47.461 124.9,51.15
  region net +3V3_DIST_OUT: 123.7,44.95 123.7,52.847 122.614,52.847 121.906,52.139 119.575,52.139 119.575,47.081 119.606,47.05 121.925,47.05 121.925,47.033 123.108,45.85 123.1,45.842 123.1,44.95
  region net +12V: 107.613,50.302 107.618,50.297 108.193,50.297 108.193,47.9 107.607,47.9 107.607,50.297
  region net +28V_FILT: 39.3,49.2 39.3,40.2 60.3,40.2 60.3,55 50,55 50,51.4 47.8,49.2
  region net GND: 23.05,58.9 23.05,56.5 26.35,56.5 26.734,56.116 32.984,56.116 34.918,58.05 65.75,58.05 65.75,58.75 62.05,58.75 60.8,60 34.176,60 33.076,58.9
  region net VIN_+28V: 14.25,35.419 14.231,35.4 13.366,35.4 13.366,39.928 13.378,39.94 14.24,39.94
  region net GND: 20.5,18.284 20.5,17.3 30.496,17.3 30.496,18.3
  region net +3V3_MCU_IN: 20.5,14.284 20.5,13.3 30.496,13.3 30.496,14.3
Power Plane (plane layer: these items are gaps in the copper):
  lines w1: 1,54 11,54 11,50.5 18.5,50.5 18.5,29 ; 1.1,29 45.8,29 45.8,36 54.8,36 ; 36,29 36,48 38.5,48 38.5,49.5 42.5,53 44.5,53 44.5,78 ; 63,-2 63,27.7 54.9,27.6 54.8,34.9 54.8,36 ; 92.3,46.4 92.277,44.984 94.896,42.595 96.2,42.6 ; 118.9,46.6 118.9,54.7 127.4,54.7 ; 122.516,46.5 96.101,46.5 ; 122.7,46.7 122.7,44.7 127.4,44.7 ; 127.4,61 97.1,61 97.1,54.5 62.1,54.5 62,46.3 96.101,46.5 ; 54.8,36 60.76,36 60.66,30 65.5,30 65.5,24 96,24 106.6,24 106.6,42.6 96.2,42.6 ; 96.101,46.5 96.2,42.6

## Silkscreen, mask and mechanical layers (free items; w line width, h text height)
Top Overlay:
  lines w0.2: 6.666,31.969 7.333,33.4 6.441,33.4 7.1,34.8 ; 6.7,32 7,33.3 ; 6.9,33.3 6.7,31.9 7.5,33.5 7.1,33.5 ; 7.1,33 7.2,33.3 7,33.3 ; 7.4,33.5 6.6,33.5 6.9,34.1 6.9,34 6.7,33.5 6.9,33.5 7.1,34.8 ; 104.766,15.469 105.433,16.9 104.541,16.9 105.2,18.3 ; 104.8,15.5 105.1,16.8 ; 105,16.8 104.8,15.4 105.6,17 105.2,17 ; 105.2,16.5 105.3,16.8 105.1,16.8 ; 105.5,17 104.7,17 105,17.6 105,17.5 104.8,17 105,17 105.2,18.3 ; 7,33.3 6.3,33.3 7.1,34.8 ; 105.1,16.8 104.4,16.8 105.2,18.3 ; 22,11.9 22,19.5 29,19.5 29,11.9 22,11.9 ; 53.5,33.6 56,33.6 56,34.8 53.5,34.8 53.5,33.6 ; 68.5,22.5 68.5,27.9 105,27.9 105,22.5 68.5,22.5 ; 68.5,30 68.5,35.4 105,35.4 105,30 68.5,30 ; 121.4,44.8 123.9,44.8 123.9,46 121.4,46 121.4,44.8
  lines w0.5: 61,63.8 61,65.5 126,65.5 ; 4.3,31.1 7,36.5 9.7,31.1 4.3,31.1 ; 27.9,50.3 27.9,64 61,64 61,46.3 64.5,46.3 64.5,35.6 42.1,35.6 42.1,31.7 31.3,31.7 31.3,50.3 27.9,50.3 ; 102.4,14.6 107.8,14.6 105.1,20 102.4,14.6
  text "3-PHASE BLDC DRIVER" at 29.5,74.952 h1.5
  text "28V / 30A" at 29.5,73.552 h1.5
  text "REV 1.0 - MAR 2026" at 29.5,72.049 h1.5
  text "+28V to +12V and +12V to +3V3" at 62,63.663 h1.7
  text "EMI PI FILTER" at 28.8,61.755 h1.7
  text "GND" at 2,51.023 h2
  text "+3V3" at 120.461,43.114 h2
  text "+28V INPUT" at 2,37.214 h2
  text "+3V3_MCU" at 46.3,33.744 h1.5
  text "+3V3" at 57.8,33.727 h1.5
  text "HIGH-SIDE" at 106,32.22 h1.5
  text "LOW-SIDE" at 106,24.72 h1.5
  text "BOOT0" at 13.758,24.16 h2
  text "+3V3" at 8.2,21.884 h1
  text "SWDIO" at 8.2,20.68 h1
  text "SWCLK" at 8.2,19.38 h1
  text "NRST" at 17,18.26 h2
  text "GND" at 8.2,18.18 h1
  text "NRST" at 8.2,16.88 h1
  text "30A HIGH CURRENT" at 107.7,16.36 h2
  text "ISenseB" at 76.6,16.32 h1.5
  text "ISenseA" at 63.9,16.22 h1.5
  text "OUTPUT" at 96.7,7.51 h2
  text "PH-A" at 78.132,-0.482 h2
  text "PH-B" at 84.523,-0.482 h2
  text "PH-C" at 90.875,-0.503 h2
Mechanical 1:
  lines w1: 122.334,-2.108 6.083,-1.896 cw(c6.083,3.187) 1.001,3.187 1,73 cw(c6,73) 6,78 122.9,78 ; 122.334,-2.096 ccw(c122.334,2.969) 127.4,2.969 127.4,73 ccw(c122.4,73) 122.4,78

## Text inside footprints (layer, text, board x,y; h text height)
C101: Top 3D Body "RefDes2" at 33.035,57.322 h1.27 r90